# Altium PCB CONTROLLER.PcbDoc (continued)
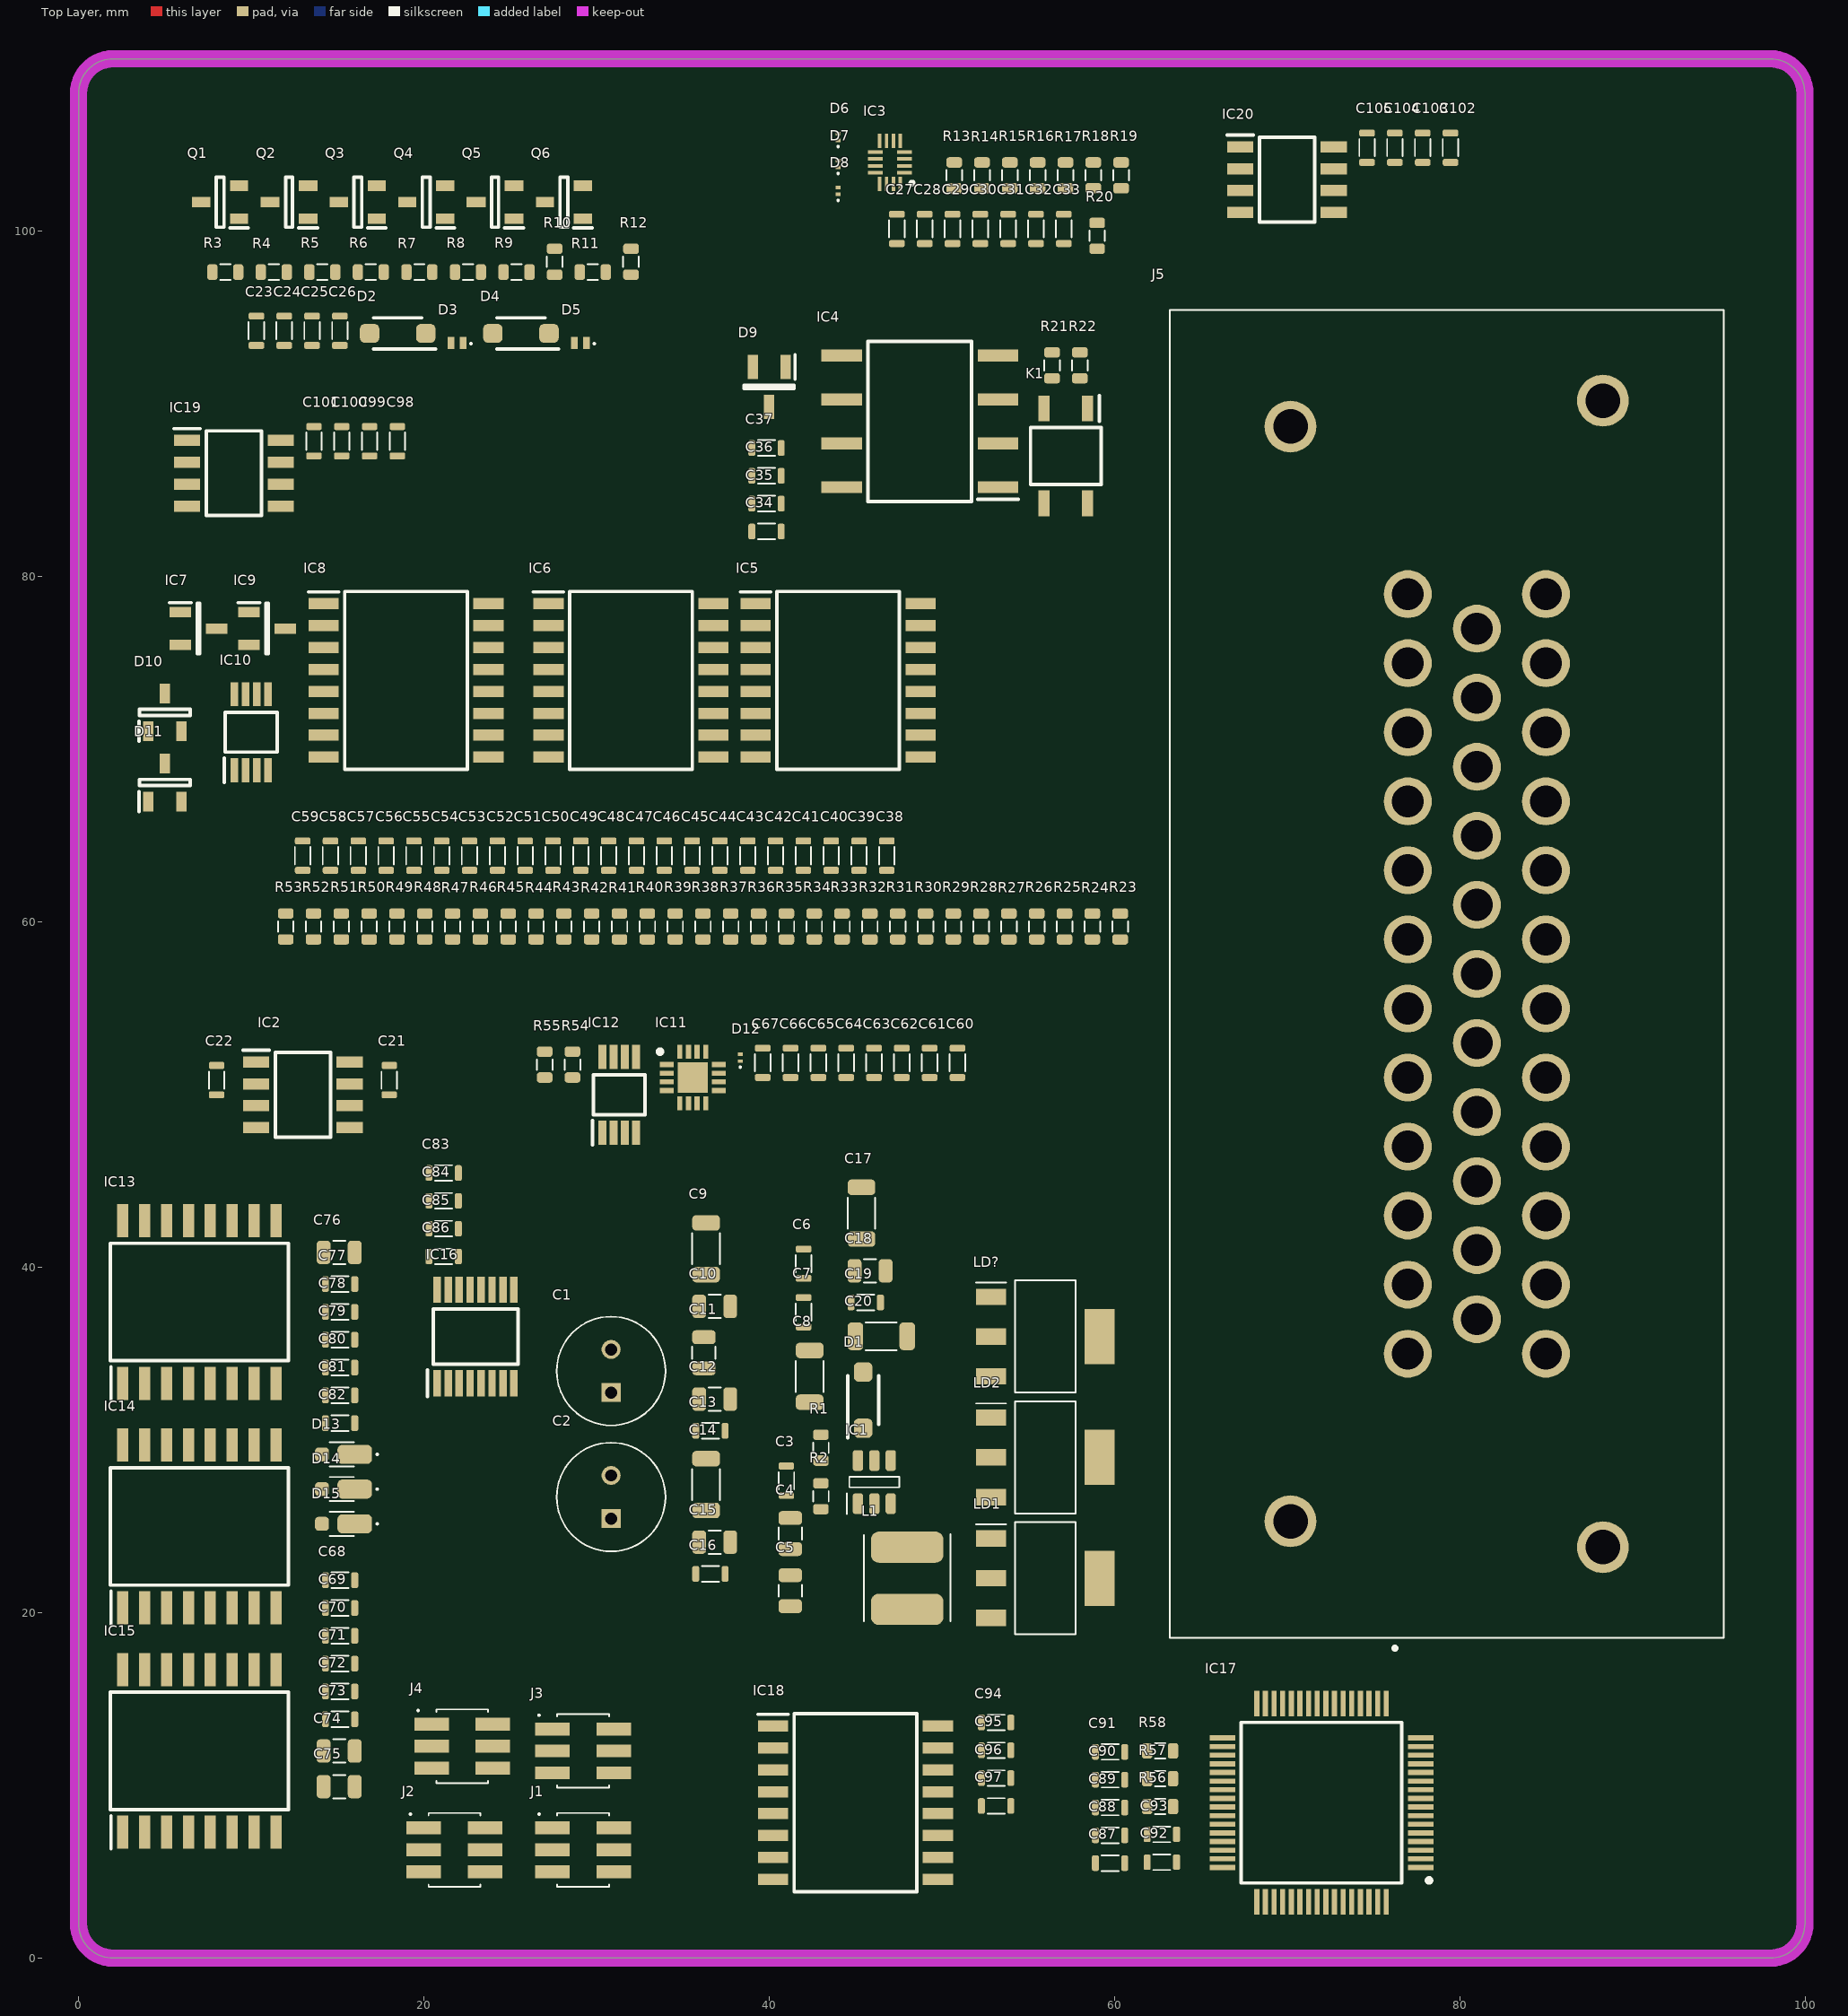
[diagram p0: Top Layer view]
## Footprints (in the part's own frame and the unit in brackets; to place one, negate y for a bottom-side part, rotate by r counter-clockwise, add the part's x,y. Pads: shape width x height; smd on the part's side, far side on the other; paste and mask are expansions set on the pad)
7762311 [mm]
  round 2.775 hole 1.85: 1(0,0) 2(4,0) 3(8,0) 4(12,0) 5(16,0) 6(20,0) 7(24,0) 8(28,0) 9(32,0) 10(36,0) 11(40,0) 12(44,0) 13(2,-4) 14(6,-4) 15(10,-4) 16(14,-4) 17(18,-4) 18(22,-4) 19(26,-4) 20(30,-4) 21(34,-4) 22(38,-4) 23(42,-4) 24(0,-8) 25(4,-8) 26(8,-8) 27(12,-8) 28(16,-8) 29(20,-8) 30(24,-8) 31(28,-8) 32(32,-8) 33(36,-8) 34(40,-8) 35(44,-8)
  round 3 hole 2: MH1(-9.7,6.8) MH2(-11.2,-11.3) MH3(55.2,-11.3) MH4(53.7,6.8)
  silkscreen extent -17.1,-18.3 60.45,13.8, body extent -16.6,-19.88 60.3,12.22, height 34.34
C_0603 [mm]
  rrect50% 0.4x0.9 smd: 1(0,0) 2(1.7,0)
  silkscreen extent 0.35,-0.45 1.35,0.45, body extent 0.05,-0.4 1.65,0.4, height 0.9
C_0805 [mm]
  rrect50% 0.8x1.35 smd: 1(0,0) 2(1.8,0)
  silkscreen extent 0.55,-0.67 1.25,0.67, body extent -0.1,-0.63 1.9,0.63, height 1.4
C_1206 [mm]
  rrect50% 0.9x1.6 smd: 1(0,0) 2(3,0)
  silkscreen extent 0.6,-0.8 2.4,0.8, body extent -0.09,-0.76 3.09,0.76, height 1.63
C_THT_6.3X11X2.5 [mm]
  rect 1.1x1.1 hole 0.7: 1(0,0)
  round 1.1 hole 0.7: 2(2.5,0)
  silkscreen extent -1.9,-3.15 4.4,3.15, body extent -2.14,-3.4 4.64,3.4, height 12.51
DO-219AD-2 [mm]
  rrect50% 2x1.1 smd: 1(0,0)
  rrect50% 0.8x0.8 smd: 2(1.9,0)
  silkscreen extent -1.35,-0.7 1.45,0.7, body extent -0.6,-0.65 1.9,0.65, height 0.68
HEADER_FEMALE_SMD_2X3_1.27MM [mm]
  rect 2x0.75 smd: 1(0,0) 2(3.55,0) 3(0,-1.27) 4(3.55,-1.27) 5(0,-2.54) 6(3.55,-2.54)
  silkscreen extent -0.83,-3.4 3.27,0.86, body extent -0.48,-3.4 4.03,0.86, height 4.5
IND_5x5x4.5 [mm]
  rrect50% 1.8x4.2 smd: 1(-1.8,0) 2(1.8,0)
  silkscreen extent -2.5,-2.5 2.54,2.5, body extent -2.5,-2.5 2.5,2.5, height 4.5
PESD5V0S1BL315 [mm]
  rect 0.4x0.7 smd: 1(-0.35,0) 2(0.35,0)
  silkscreen extent -0.85,0 -0.75,0.1, body extent -0.5,-0.3 0.5,0.3, height 0.47
PMEG3005AESFYL [mm]
  rect 0.2x0.28 smd: 1(-0.05,0) 2(0.35,0)
  silkscreen extent -0.45,-0.05 -0.35,0.05, body extent -0.16,-0.16 0.46,0.16, height 0.32
QFN40P180X260X55-16N [mm]
  rect 0.85x0.2 smd: 1(-0.85,0.6) 2(-0.85,0.2) 3(-0.85,-0.2) 4(-0.85,-0.6) 9(0.85,-0.6) 10(0.85,-0.2) 11(0.85,0.2) 12(0.85,0.6)
  rect 0.2x0.85 smd: 5(-0.6,-1.25) 6(-0.2,-1.25) 7(0.2,-1.25) 8(0.6,-1.25) 13(0.6,1.25) 14(0.2,1.25) 15(-0.2,1.25) 16(-0.6,1.25)
  silkscreen extent -1.38,1.1 -1.18,1.3, body extent -0.9,-1.3 0.9,1.3, height 0.55
QFN50P300X300X80-17N-D [mm]
  rect 0.8x0.3 smd: 1(-1.5,0.75) 2(-1.5,0.25) 3(-1.5,-0.25) 4(-1.5,-0.75) 9(1.5,-0.75) 10(1.5,-0.25) 11(1.5,0.25) 12(1.5,0.75)
  rect 0.3x0.8 smd: 5(-0.75,-1.5) 6(-0.25,-1.5) 7(0.25,-1.5) 8(0.75,-1.5) 13(0.75,1.5) 14(0.25,1.5) 15(-0.25,1.5) 16(-0.75,1.5)
  rect 1.76x1.76 smd: 17(0,0)
  silkscreen extent -2.02,1.38 -1.77,1.62, body extent -1.55,-1.55 1.55,1.55, height 0.8
QFP50P1200X1200X160-64N [mm]
  rect 1.475x0.3 smd: 1(-5.738,3.75) 2(-5.738,3.25) 3(-5.738,2.75) 4(-5.738,2.25) 5(-5.738,1.75) 6(-5.738,1.25) 7(-5.738,0.75) 8(-5.738,0.25) 9(-5.738,-0.25) 10(-5.738,-0.75) 11(-5.738,-1.25) 12(-5.738,-1.75) 13(-5.738,-2.25) 14(-5.738,-2.75) 15(-5.738,-3.25) 16(-5.738,-3.75) 33(5.738,-3.75) 34(5.738,-3.25) 35(5.738,-2.75) 36(5.738,-2.25) 37(5.738,-1.75) 38(5.738,-1.25) 39(5.738,-0.75) 40(5.738,-0.25) 41(5.738,0.25) 42(5.738,0.75) 43(5.738,1.25) 44(5.738,1.75) 45(5.738,2.25) 46(5.738,2.75) 47(5.738,3.25) 48(5.738,3.75)
  rect 0.3x1.475 smd: 17(-3.75,-5.738) 18(-3.25,-5.738) 19(-2.75,-5.738) 20(-2.25,-5.738) 21(-1.75,-5.738) 22(-1.25,-5.738) 23(-0.75,-5.738) 24(-0.25,-5.738) 25(0.25,-5.738) 26(0.75,-5.738) 27(1.25,-5.738) 28(1.75,-5.738) 29(2.25,-5.738) 30(2.75,-5.738) 31(3.25,-5.738) 32(3.75,-5.738) 49(3.75,5.738) 50(3.25,5.738) 51(2.75,5.738) 52(2.25,5.738) 53(1.75,5.738) 54(1.25,5.738) 55(0.75,5.738) 56(0.25,5.738) 57(-0.25,5.738) 58(-0.75,5.738) 59(-1.25,5.738) 60(-1.75,5.738) 61(-2.25,5.738) 62(-2.75,5.738) 63(-3.25,5.738) 64(-3.75,5.738)
  silkscreen extent -6.35,-4.65 4.65,4.65, body extent -6,-6 6,6, height 1.6
R_0603 [mm]
  rrect50% 0.6x0.9 smd: 1(0,0) 2(1.5,0)
  silkscreen extent 0.45,-0.45 1.05,0.45, body extent -0.05,-0.4 1.55,0.4, height 0.55
SOD-123-2 [mm]
  rrect50% 1.12x1.08 smd: 1(-1.625,0) 2(1.625,0)
  silkscreen extent -2.18,-0.9 1.4,0.9, body extent -1.88,-0.9 1.88,0.9, height 1.08
SOIC127P600X175-8N [mm]
  rect 1.525x0.65 smd: 1(-2.712,1.905) 2(-2.712,0.635) 3(-2.712,-0.635) 4(-2.712,-1.905) 5(2.712,-1.905) 6(2.712,-0.635) 7(2.712,0.635) 8(2.712,1.905)
  silkscreen extent -3.47,-2.45 1.6,2.58, body extent -3,-2.45 3,2.45, height 1.75
SOIC127P1030X265-16N [mm]
  rect 1.75x0.65 smd: 1(-4.775,4.445) 2(-4.775,3.175) 3(-4.775,1.905) 4(-4.775,0.635) 5(-4.775,-0.635) 6(-4.775,-1.905) 7(-4.775,-3.175) 8(-4.775,-4.445) 9(4.775,-4.445) 10(4.775,-3.175) 11(4.775,-1.905) 12(4.775,-0.635) 13(4.775,0.635) 14(4.775,1.905) 15(4.775,3.175) 16(4.775,4.445)
  silkscreen extent -5.65,-5.15 3.55,5.15, body extent -5.15,-5.15 5.15,5.15, height 2.65
SOIC127P1032X265-16N [mm]
  rect 1.925x0.65 smd: 1(-4.712,4.445) 2(-4.712,3.175) 3(-4.712,1.905) 4(-4.712,0.635) 5(-4.712,-0.635) 6(-4.712,-1.905) 7(-4.712,-3.175) 8(-4.712,-4.445) 9(4.712,-4.445) 10(4.712,-3.175) 11(4.712,-1.905) 12(4.712,-0.635) 13(4.712,0.635) 14(4.712,1.905) 15(4.712,3.175) 16(4.712,4.445)
  silkscreen extent -5.68,-5.15 3.4,5.15, body extent -5.16,-5.15 5.16,5.15, height 2.65
SOP64P600X175-16N [mm]
  rect 1.528x0.435 smd: 1(-2.711,2.222) 2(-2.711,1.588) 3(-2.711,0.952) 4(-2.711,0.318) 5(-2.711,-0.318) 6(-2.711,-0.952) 7(-2.711,-1.588) 8(-2.711,-2.222) 9(2.711,-2.222) 10(2.711,-1.588) 11(2.711,-0.952) 12(2.711,-0.318) 13(2.711,0.318) 14(2.711,0.952) 15(2.711,1.588) 16(2.711,2.222)
  silkscreen extent -3.47,-2.45 1.6,2.79, body extent -3.01,-2.45 3.01,2.45, height 1.62
SOP65P490X110-8N [mm]
  rect 1.4x0.45 smd: 1(-2.2,0.975) 2(-2.2,0.325) 3(-2.2,-0.325) 4(-2.2,-0.975) 5(2.2,-0.975) 6(2.2,-0.325) 7(2.2,0.325) 8(2.2,0.975)
  silkscreen extent -2.9,-1.5 1.15,1.55, body extent -2.45,-1.5 2.45,1.5, height 1.1
SOP254P610X206-4N [mm]
  rect 1.5x0.65 smd: 1(-2.75,1.27) 2(-2.75,-1.27) 3(2.75,-1.27) 4(2.75,1.27)
  silkscreen extent -3.5,-2.04 1.65,2.04, body extent -3.05,-2.04 3.05,2.04, height 2.05
SOP254P1040X485-8N [mm]
  rect 2.35x0.7 smd: 1(-4.525,3.81) 2(-4.525,1.27) 3(-4.525,-1.27) 4(-4.525,-3.81) 5(4.525,-3.81) 6(4.525,-1.27) 7(4.525,1.27) 8(4.525,3.81)
  silkscreen extent -5.7,-4.64 3,4.64, body extent -5.2,-4.64 5.2,4.64, height 4.85
SOT23-6 [mm]
  rrect50% 1.2x0.6 smd: 1(-1.25,0.95) 2(-1.25,0) 3(-1.25,-0.95) 4(1.25,-0.95) 5(1.25,0) 6(1.25,0.95)
  silkscreen extent -1.85,-1.45 0.3,1.6, body extent -1.4,-1.45 1.4,1.45, height 1.2
SOT95P230X110-3N [mm]
  rect 1.05x0.6 smd: 1(-1.1,0.95) 2(-1.1,-0.95) 3(1.1,0)
  silkscreen extent -1.63,-1.45 0.23,1.5, body extent -1.2,-1.45 1.2,1.45, height 0.95
SOT95P237X112-3N [mm]
  rect 1.25x0.6 smd: 1(-1.05,0.95) 2(-1.05,-0.95) 3(1.05,0)
  silkscreen extent -1.68,-1.46 0.08,1.5, body extent -1.27,-1.46 1.27,1.46, height 1
SOT95P237X125-3N [mm]
  rect 1.15x0.6 smd: 1(-1.1,0.95) 2(-1.1,-0.95) 3(1.1,0)
  silkscreen extent -1.68,-1.46 0.18,1.5, body extent -1.25,-1.5 1.25,1.5, height 1.07
SOT95P240X115-3N [mm]
  rect 1.1x0.6 smd: 1(-1.1,0.95) 2(-1.1,-0.95) 3(1.1,0)
  silkscreen extent -1.65,-1.45 0.2,1.5, body extent -1.2,-1.45 1.2,1.45, height 1.15
SOT95P255X125-3N [mm]
  rect 1.4x0.6 smd: 1(-1.15,0.95) 2(-1.15,-0.95) 3(1.15,0)
  silkscreen extent -1.85,-1.45 0.1,1.5, body extent -1.28,-1.45 1.28,1.45, height 1.25
SOT223-3 [mm]
  rect 1.75x0.95 smd: 1(-3.15,2.3) 2(-3.15,0) 3(-3.15,-2.3)
  rect 1.75x3.2 smd: 4(3.15,0)
  silkscreen extent -4.03,-3.25 1.75,3.25, body extent -3.5,-3.25 3.5,3.25, height 1.7

## Part data
C1 C2: library part CAP_POL_THT_100u_25V, "Aluminium Electrolytic Capacitors - Radial Leaded 25V 100uF 105C 6.3x11mm", Voltage=25V, ComponentLink1Description=Link, ComponentLink1URL=https://www.mouser.com.tr/ProductDetail/Lelon/RGA101M1EBK-0611G?qs=sGAEpiMZZMvwFf0viD3Y3ZPeeWspSkPKwMATVGPRbS8%3D
C3 C4 C5 C6 C7 C8 C9 C10 C11 C12 C13 C14 C15 C16 C17 C18 C19 C20 C21 C22 C23 C24 C25 C26 C27 C28 C29 C30 C31 C32 C33 C34 C35 C36 C37 C38 C39 C40 C41 C42 C43 C44 C45 C46 C47 C48 C49 C50 C51 C52 C53 C54 C55 C56 C57 C58 C59 C60 C61 C62 C63 C64 C65 C66 C67 C68 C69 C70 C71 C72 C73 C74 C75 C76 C77 C78 C79 C80 C81 C82 C83 C84 C85 C86 C87 C88 C89 C90 C91 C92 C93 C94 C95 C96 C97 C98 C99 C100 C101 C102 C103 C104 C105: library part CAP, "SMD Chip Capacitor"
D1 D2 D4: library part DIODE_SCHOTTKY_CMMSH1-60G_TR_PBFREE, "Schottky Diodes & Rectifiers", ComponentLink1Description="New link", ComponentLink1URL=https://www.mouser.com.tr/ProductDetail/Central-Semiconductor/CMMSH1-60G-TR-PBFREE?qs=u16ybLDytRaqwQ9Jtbd3vg%3D%3D, Vf=0.85A, Vrm=60V, If=1A
D3 D5: "Diode ESD (Bi-directional)", Manufacturer_Name=Nexperia, Mouser Part Number=771-PESD12VV1BL,315, Arrow Part Number=PESD12VV1BL,315, Arrow Price/Stock=https://www.arrow.com/en/products/pesd12vv1bl315/nexperia?region=nac, Datasheet Link=https://assets.nexperia.com/documents/data-sheet/PESD12VV1BL.pdf, Height=0mm, Manufacturer_Part_Number=PESD12VV1BL,315, Mouser Price/Stock=https://www.mouser.co.uk/ProductDetail/Nexperia/PESD12VV1BL315?qs=zHGtguZFFhIuyro4byE1mg%3D%3D
D6 D7 D8 D12: "Diode ESD (Bi-directional)", Manufacturer_Name=Nexperia, Mouser Part Number=771-PESD3V3Y1BSFYL, Arrow Part Number=PESD3V3Y1BSFYL, Arrow Price/Stock=https://www.arrow.com/en/products/pesd3v3y1bsfyl/nexperia?region=asia, Datasheet Link=https://assets.nexperia.com/documents/data-sheet/PESD3V3Y1BSF.pdf, Manufacturer_Part_Number=PESD3V3Y1BSFYL, Mouser Price/Stock=https://www.mouser.co.uk/ProductDetail/Nexperia/PESD3V3Y1BSFYL?qs=MLItCLRbWswJ%2F2jJIhlIxQ%3D%3D
D9: "TVS Diode (Bi-directional)", Manufacturer_Name=STMicroelectronics, Mouser Part Number=511-ESDCAN01-2BLY, Arrow Part Number=ESDCAN01-2BLY, Arrow Price/Stock=https://www.arrow.com/en/products/esdcan01-2bly/stmicroelectronics?region=nac, Datasheet Link=https://componentsearchengine.com/Datasheets/2/ESDCAN01-2BLY.pdf, Height=1.25mm, Manufacturer_Part_Number=ESDCAN01-2BLY, Mouser Price/Stock=https://www.mouser.co.uk/ProductDetail/STMicroelectronics/ESDCAN01-2BLY?qs=Ok1pvOkw6%2FpNzC2RQnWwPA%3D%3D
D10 D11: "Schottky Diode", Manufacturer_Name=MCC, Datasheet Link=https://www.mccsemi.com/pdf/Products/BAT54H-BAT54SH(SOT-23).pdf, Height=1.25mm, Manufacturer_Part_Number=BAT54SH-TP
D13 D14 D15: library part DIODE_SCHOTTKY_V1PM15-M3_H, "Schottky Diode, 150V, 1A, Vf: 1.13V", ComponentLink1Description="New link", ComponentLink1URL=https://www.mouser.com.tr/ProductDetail/Vishay-General-Semiconductor/V1PM15-M3-H?qs=%252BdQmOuGyFcHNPmRG94B76g%3D%3D, Vf=1.3V, Vrm=150V, If=1A
IC1: library part DC_DC_LV3842XFDBVR, "Switching Voltage Regulators 4-V to 36-V 600-mA synchronous step-dow (FPWM)"
IC2: "Integrated Circuit", Manufacturer_Name=STMicroelectronics, Mouser Part Number=511-M24C32-RMN6TP, Arrow Part Number=M24C32-RMN6TP, Arrow Price/Stock=https://www.arrow.com/en/products/m24c32-rmn6tp/stmicroelectronics?region=nac, Datasheet Link=http://www.st.com/content/ccc/resource/technical/document/datasheet/80/4e/8c/54/f2/63/4c/4a/CD00001012.pdf/files/CD00001012.pdf/jcr:content/translations/en.CD00001012.pdf, Height=1.75mm, Manufacturer_Part_Number=M24C32-RMN6TP, Mouser Price/Stock=https://www.mouser.co.uk/ProductDetail/STMicroelectronics/M24C32-RMN6TP?qs=mxjAf%2Fzt%2FiCvN2%252BVDNbw9w%3D%3D
IC3: "Integrated Circuit", Manufacturer_Name="Texas Instruments", Mouser Part Number=595-TCA6408ARSVR, Arrow Part Number=TCA6408ARSVR, Arrow Price/Stock=https://www.arrow.com/en/products/tca6408arsvr/texas-instruments?region=nac, Datasheet Link=http://www.ti.com/lit/gpn/tca6408a, Height=0.55mm, Manufacturer_Part_Number=TCA6408ARSVR, Mouser Price/Stock=https://www.mouser.co.uk/ProductDetail/Texas-Instruments/TCA6408ARSVR?qs=AFkNxQkJKAISZm6jGsM%252BSQ%3D%3D
IC4: "Integrated Circuit", Manufacturer_Name="Texas Instruments", Mouser Part Number=595-ISO1050DUBR, Arrow Part Number=ISO1050DUBR, Arrow Price/Stock=https://www.arrow.com/en/products/iso1050dubr/texas-instruments?region=europe, Datasheet Link=http://www.ti.com/lit/ds/symlink/iso1050.pdf, Height=4.85mm, Manufacturer_Part_Number=ISO1050DUBR, Mouser Price/Stock=https://www.mouser.co.uk/ProductDetail/Texas-Instruments/ISO1050DUBR?qs=IK5e5L0zOXhhp9hdAolE%252BA%3D%3D
IC5: "Integrated Circuit", Manufacturer_Name=onsemi, Mouser Part Number=863-TCA0372BDWR2G, Arrow Part Number=TCA0372BDWR2G, Arrow Price/Stock=https://www.arrow.com/en/products/tca0372bdwr2g/on-semiconductor?region=nac, Datasheet Link=https://www.onsemi.com/pub/Collateral/TCA0372-D.PDF, Height=2.65mm, Manufacturer_Part_Number=TCA0372BDWR2G, Mouser Price/Stock=https://www.mouser.co.uk/ProductDetail/onsemi/TCA0372BDWR2G?qs=xZq1yRCsb1cabHbnO0INRw%3D%3D
IC6 IC8: "Integrated Circuit", Manufacturer_Name="Texas Instruments", Mouser Part Number=595-ISO7330CDW, Arrow Part Number=ISO7330CDW, Arrow Price/Stock=https://www.arrow.com/en/products/iso7330cdw/texas-instruments, Datasheet Link=http://www.ti.com/lit/gpn/iso7330c, Height=2.65mm, Manufacturer_Part_Number=ISO7330CDW, Mouser Price/Stock=https://www.mouser.co.uk/ProductDetail/Texas-Instruments/ISO7330CDW/?qs=OfeFRKQgECgkB7bvj%252B895A%3D%3D
IC7: "Integrated Circuit", Manufacturer_Name="Texas Instruments", Mouser Part Number=595-TL431CDBZR, Arrow Part Number=TL431CDBZR, Arrow Price/Stock=https://www.arrow.com/en/products/tl431cdbzr/texas-instruments?region=nac, Datasheet Link=https://www.ti.com/lit/gpn/TL431, Height=1.12mm, Manufacturer_Part_Number=TL431CDBZR, Mouser Price/Stock=https://www.mouser.co.uk/ProductDetail/Texas-Instruments/TL431CDBZR?qs=odmYgEirbwwSWqcYApoxbg%3D%3D
IC9: "Integrated Circuit", Arrow Part Number=LM4040EIM3X-2.5/NOPB, Manufacturer_Name="Texas Instruments", Mouser Part Number=926-LM4040EIM3X25NPB, Arrow Price/Stock=https://www.arrow.com/en/products/lm4040eim3x-2.5nopb/texas-instruments?region=nac, Datasheet Link=http://www.ti.com/lit/gpn/lm4040-n, Height=1.12mm, Manufacturer_Part_Number=LM4040EIM3X-2.5/NOPB, Mouser Price/Stock=https://www.mouser.co.uk/ProductDetail/Texas-Instruments/LM4040EIM3X-2.5-NOPB?qs=QbsRYf82W3ECmAFJZbZXfA%3D%3D
IC10: "Integrated Circuit", Manufacturer_Name=onsemi, Mouser Part Number=863-MC33202DMR2G, Arrow Part Number=MC33202DMR2G, Arrow Price/Stock=https://www.arrow.com/en/products/mc33202dmr2g/on-semiconductor?region=nac, Datasheet Link=https://www.onsemi.com/pub/Collateral/MC33201-D.PDF, Height=1.1mm, Manufacturer_Part_Number=MC33202DMR2G, Mouser Price/Stock=https://www.mouser.co.uk/ProductDetail/onsemi/MC33202DMR2G?qs=dFKnUM%2FquJa76cgLejLdnw%3D%3D
IC11: "Integrated Circuit", Manufacturer_Name="Texas Instruments", Mouser Part Number=595-TLA2518IRTER, Arrow Part Number=TLA2518IRTER, Arrow Price/Stock=https://www.arrow.com/en/products/tla2518irter/texas-instruments?region=europe, Datasheet Link=http://www.ti.com/lit/ds/symlink/tla2518.pdf, Height=0.8mm, Manufacturer_Part_Number=TLA2518IRTER, Mouser Price/Stock=https://www.mouser.co.uk/ProductDetail/Texas-Instruments/TLA2518IRTER?qs=XeJtXLiO41Rx1uJi657ctQ%3D%3D
IC12: "Integrated Circuit", Arrow Part Number=ADC122S021CIMMX/NOPB, Manufacturer_Name="Texas Instruments", Mouser Part Number=926-A122S021CIMMXNPB, Arrow Price/Stock=https://www.arrow.com/en/products/adc122s021cimmxnopb/texas-instruments, Datasheet Link=http://www.ti.com/lit/gpn/ADC122S021, Height=1.1mm, Manufacturer_Part_Number=ADC122S021CIMMX/NOPB, Mouser Price/Stock=https://www.mouser.co.uk/ProductDetail/Texas-Instruments/ADC122S021CIMMX-NOPB/?qs=7X5t%252BdzoRHB2bC7Teu8H3A%3D%3D
IC13 IC14 IC15: "Integrated Circuit", Manufacturer_Name=Infineon, Mouser Part Number=942-IR2110STRPBF, Arrow Part Number=IR2110STRPBF, Arrow Price/Stock=https://www.arrow.com/en/products/ir2110strpbf/infineon-technologies-ag?utm_currency=USD&region=nac, Datasheet Link=https://www.infineon.com/cms/en/product/power/gate-driver-ics/?, Height=2.65mm, Manufacturer_Part_Number=IR2110STRPBF, Mouser Price/Stock=https://www.mouser.co.uk/ProductDetail/Infineon-Technologies/IR2110STRPBF?qs=2r01AXMCG3P4pNuJUqFzxg%3D%3D
IC16: "Integrated Circuit", Manufacturer_Name="Texas Instruments", Mouser Part Number=595-ISO7760FDBQR, Arrow Part Number=ISO7760FDBQR, Arrow Price/Stock=https://www.arrow.com/en/products/iso7760fdbqr/texas-instruments?region=nac, Datasheet Link=https://www.ti.com/lit/ds/symlink/iso7760.pdf?ts=1635771024326&ref_url=https%253A%252F%252Fwww.ti.com%252Fproduct%252FISO7760, Height=1.75mm, Manufacturer_Part_Number=ISO7760FDBQR, Mouser Price/Stock=https://www.mouser.co.uk/ProductDetail/Texas-Instruments/ISO7760FDBQR?qs=rrS6PyfT74eAAfpmQeXWaw%3D%3D
IC17: "Integrated Circuit", Manufacturer_Name=STMicroelectronics, Mouser Part Number=511-STM32F446RET6, Arrow Part Number=STM32F446RET6, Arrow Price/Stock=https://www.arrow.com/en/products/stm32f446ret6/stmicroelectronics?utm_currency=USD&region=nac, Datasheet Link=https://datasheet.datasheetarchive.com/originals/distributors/DKDS41/DSANUWW0028583.pdf, Height=1.6mm, Manufacturer_Part_Number=STM32F446RET6, Mouser Price/Stock=https://www.mouser.co.uk/ProductDetail/STMicroelectronics/STM32F446RET6?qs=Ok1pvOkw6%2FqpQsWf8F4wtQ%3D%3D
IC18: "Integrated Circuit", Manufacturer_Name="Texas Instruments", Mouser Part Number=595-ISO6731DWR, Datasheet Link=https://www.ti.com/lit/ds/symlink/iso6731.pdf?ts=1623477624400&ref_url=https%253A%252F%252Fwww.ti.com%252Fstore%252Fti%252Fen%252Fp%252Fproduct%252F%253Fp%253DISO6731DWR%2526keyMatch%253DISO6731DWR%2526tisearch%253Dsearch-everything%2526usecase%253DOPN, Height=2.65mm, Manufacturer_Part_Number=ISO6731DWR, Mouser Price/Stock=https://www.mouser.co.uk/ProductDetail/Texas-Instruments/ISO6731DWR?qs=iLbezkQI%252Bsg6BfGQOcJxyQ%3D%3D
IC19: "Integrated Circuit", Manufacturer_Name="Texas Instruments", Mouser Part Number=595-ISO1641BDR, Datasheet Link=https://www.ti.com/lit/ds/symlink/iso1641.pdf?ts=1621351593430&ref_url=https%253A%252F%252Fwww.ti.com%252Fisolation%252Fisolated-interfaces%252Fi2c%252Fproducts.html, Height=1.75mm, Manufacturer_Part_Number=ISO1641BDR, Mouser Price/Stock=https://www.mouser.co.uk/ProductDetail/Texas-Instruments/ISO1641BDR?qs=TuK3vfAjtkURaauWK%2F5e2g%3D%3D
IC20: "Integrated Circuit", Manufacturer_Name="Texas Instruments", Mouser Part Number=595-ISO7710FDR, Arrow Part Number=ISO7710FDR, Arrow Price/Stock=https://www.arrow.com/en/products/iso7710fdr/texas-instruments?region=nac, Datasheet Link=http://www.ti.com/lit/gpn/iso7710, Height=1.75mm, Manufacturer_Part_Number=ISO7710FDR, Mouser Price/Stock=https://www.mouser.co.uk/ProductDetail/Texas-Instruments/ISO7710FDR?qs=0C8XhJW8e4r482bmRgamQA%3D%3D
J1 J2 J3 J4: library part HEADER_SMD_2X3_1.27MM
J5: "Connector", Manufacturer_Name="TE Connectivity", Mouser Part Number=571-776231-1, Arrow Part Number=776231-1, Arrow Price/Stock=https://www.arrow.com/en/products/776231-1/te-connectivity?region=nac, Datasheet Link=https://www.te.com/commerce/DocumentDelivery/DDEController?Action=srchrtrv&DocNm=1-1773979-2&DocType=Data%20Sheet&DocLang=English&PartCntxt=776231-1&DocFormat=pdf, Height=34.25mm, Manufacturer_Part_Number=776231-1, Mouser Price/Stock=https://www.mouser.co.uk/ProductDetail/TE-Connectivity/776231-1?qs=YqNA2qefETAQAJm2ankyIA%3D%3D
K1: "Relay or Contactor", Manufacturer_Name=LITTELFUSE, Datasheet Link=http://www.ixysic.com/home/pdfs.nsf/www/CPC1017N.pdf/$file/CPC1017N.pdf, Height=2.055mm, Manufacturer_Part_Number=CPC-1017N
L1: library part INDUCTOR, "VLS5045EX-220M"
LD1: library part LDO_SPX1117M3-L-5-0_TR, "LDO Voltage Regulators, 800mA, 5V Fixed Output", Dropout Voltage=1.1V, ComponentLink1Description=Link, ComponentLink1URL=https://www.mouser.com.tr/ProductDetail/MaxLinear/SPX1117M3-L-5-0-TR?qs=sGAEpiMZZMuLLNXTG1MZamssjbYkpgRd0ulvD9ADRVk%3D, Junction to Ambient=41°C/W, Vinmax=15V
LD2 LD?: library part LDO_SPX1117M3-L-3-3/TR, "LDO Voltage Regulators, 800mA, 3.3V Fixed Output", Dropout Voltage=1.1V, ComponentLink1Description=Link, ComponentLink1URL=https://www.mouser.com.tr/ProductDetail/MaxLinear/SPX1117M3-L-3-3-TR?qs=S%2FCBhQS5rCofor8XCFP4ag%3D%3D, Junction to Ambient=41°C/W, Vinmax=15V
Q1 Q4: "Transistor BJT PNP", Manufacturer_Name=Nexperia, Mouser Part Number=771-BC857B235, Arrow Part Number=BC857B,235, Arrow Price/Stock=https://www.arrow.com/en/products/bc857b235/nexperia?region=europe, Datasheet Link=https://assets.nexperia.com/documents/data-sheet/BC856_BC857_BC858.pdf, Height=1.1mm, Manufacturer_Part_Number=BC857B,235, Mouser Price/Stock=https://www.mouser.co.uk/ProductDetail/Nexperia/BC857B235?qs=me8TqzrmIYWSnmooO7Bp2g%3D%3D
Q2 Q5: "Transistor BJT NPN", Manufacturer_Name=Rectron, Mouser Part Number=583-BC847, Datasheet Link=https://www.rectron.com/public/product_datasheets/bc846-bc848.pdf, Height=1.15mm, Manufacturer_Part_Number=BC847-T, Mouser Price/Stock=https://www.mouser.co.uk/ProductDetail/Rectron/BC847-T?qs=88VD4TDCwKCxjiqyDdAfrw%3D%3D
Q3 Q6: "MOSFET (N-Channel)", Manufacturer_Name=Nexperia, Mouser Part Number=771-PMV37ENEAR, Arrow Part Number=PMV37ENEAR, Arrow Price/Stock=https://www.arrow.com/en/products/pmv37enear/nexperia?region=nac, Datasheet Link=https://assets.nexperia.com/documents/data-sheet/PMV37ENEA.pdf, Height=1.1mm, Manufacturer_Part_Number=PMV37ENEAR, Mouser Price/Stock=https://www.mouser.co.uk/ProductDetail/Nexperia/PMV37ENEAR?qs=T3oQrply3y%2Frl%252BtsBfD26A%3D%3D
R1 R2 R3 R4 R5 R6 R7 R8 R9 R10 R11 R12 R13 R14 R15 R16 R17 R18 R19 R20 R21 R22 R23 R24 R25 R26 R27 R28 R29 R30 R31 R32 R33 R34 R35 R36 R37 R38 R39 R40 R41 R42 R43 R44 R45 R46 R47 R48 R49 R50 R51 R52 R53 R54 R55 R56 R57 R58: library part RES, "SMD Chip Resistor"

## Nets (pads, with @x,y where several pads share a name; then routed paths per layer and width w, separated by ;. In a path a pad name is that pad's centre, name@x,y a point inside that pad or via, vN(x,y) a via of type N, cw(c..) or ccw(c..) an arc to the next point about the centre after c; other vN are vias at no path point)
+3V3: C17.1 C21.1 C22.1 C43.2 C44.2 C48.2 C49.2 C57.2 C58.2 C59.2 C63.2 C64.2 D10.1 D11.1 IC2.8 IC6.10 IC6.16 IC8.10 IC8.16 IC10.8 IC11.10 J5.10 LD2.2 LD2.4 R15.2 R17.2 R19.2
+3V3_ADC: C60.2 C61.2 C65.2 C66.2 IC11.7 IC12.2
+3V3_MCU: C20.1 C87.2 C88.2 C89.2 C90.2 C91.2 C92.2 IC17.1 IC17.13 IC17.19 IC17.32 IC17.48 IC17.64 LD?.2 LD?.4 R56.1 R57.1
+5V: C14.1 C15.1 C16.1 C27.1 C28.1 C29.1 C30.1 C35.1 C36.1 C41.2 C42.2 C46.2 C47.2 C77.2 C78.2 C79.2 C80.2 C81.2 C82.2 C85.2 C86.2 C96.2 C97.2 C100.2 C101.2 C104.2 C105.2 IC3.14 IC3.15 IC4.8 IC6.1 IC8.1 IC13.11 IC14.11 IC15.11 IC16.16 IC18.10 IC18.16 IC19.8 LD1.2 LD1.4 LD2.3 R13.2 R14.2 R25.1 R26.1 R27.1 R37.1 R38.1 R39.1 R40.2
+5V_FEEDBACK: J5.21
+5V_MCU: C18.1 C19.1 C34.2 C37.1 C83.2 C84.2 C94.2 C95.2 C98.2 C99.2 C102.2 C103.2 IC4.1 IC16.1 IC18.1 IC18.7 IC19.1 IC20.1 LD?.3
+7V: C8.1 C9.1 C10.1 C11.1 C12.1 C13.1 L1.2 LD1.3 R1.2
+12V: C1.1 C2.1 C4.1 C5.1 C6.2 C7.2 C50.2 C51.2 C52.2 C68.2 C69.2 C70.2 C71.2 C72.2 C73.2 D1.1 D2.1 D4.1 D13.2 D14.2 D15.2 IC1.4 IC1.5 IC5.1 IC13.3 IC14.3 IC15.3 Q1.2 Q4.2 R3.1 R8.1 R24.2
+12V_IN: D1.2 J5.1 J5.2 J5.3 J5.4
DIR_SW: IC3.2 R16.1
EMG_REV_SW: IC3.4 R20.1
EMG_STOP_SW: IC3.3 R18.1
GND: C1.2 C2.2 C4.2 C5.2 C6.1 C7.1 C8.2 C9.2 C10.2 C11.2 C12.2 C13.2 C14.2 C15.2 C16.2 C17.2 C21.2 C22.2 C23.2 C24.2 C25.2 C26.2 C27.2 C28.2 C29.2 C30.2 C31.2 C32.2 C33.2 C35.2 C36.2 C40.2 C41.1 C42.1 C46.1 C47.1 C50.1 C51.1 C52.1 C57.1 C58.1 C59.1 C60.1 C61.1 C62.1 C63.1 C64.1 C65.1 C66.1 C67.1 C68.1 C69.1 C70.1 C71.1 C72.1 C73.1 C77.1 C78.1 C79.1 C80.1 C81.1 C82.1 C85.1 C86.1 C96.1 C97.1 C100.1 C101.1 C104.1 C105.1 D3.2 D5.2 D6.2 D7.2 D8.2 D9.3 D10.2 D11.2 D12.2 IC1.2 IC2.1 IC2.2 IC2.3 IC2.4 IC3.6 IC3.16 IC4.5 IC5.4 IC5.5 IC5.12 IC5.13 IC6.2 IC6.8 IC7.3 IC8.2 IC8.8 IC9.2 IC10.4 IC11.9 IC11.17 IC12.3 IC13.2 IC13.13 IC13.15 IC14.2 IC14.13 IC14.15 IC15.2 IC15.13 IC15.15 IC16.9 IC18.9 IC18.15 IC19.5 IC20.3 IC20.6 J5.15 J5.16 J5.17 J5.18 J5.19 J5.20 J5.34 LD1.1 LD2.1 Q2.2 Q3.2 Q5.2 Q6.2 R2.1 R6.2 R7.2 R11.2 R12.2 R31.1 R32.2 R33.2 R34.2 R41.2 R42.2 R43.2
GND_MCU: C18.2 C19.2 C20.2 C34.1 C37.2 C43.1 C44.1 C48.1 C49.1 C83.1 C84.1 C87.1 C88.1 C89.1 C90.1 C91.1 C92.1 C93.1 C94.1 C95.1 C98.1 C99.1 C102.1 C103.1 IC4.4 IC6.9 IC6.15 IC8.9 IC8.15 IC16.8 IC17.12 IC17.18 IC17.31 IC17.47 IC17.63 IC18.2 IC18.8 IC19.4 K1.2 LD?.1 R58.2
MISO: IC11.12 IC12.7 IC18.12
MOSI: IC11.14 IC12.6 IC18.13
NetC3_1: C3.1 IC1.6 L1.1
NetC3_2: C3.2 IC1.1
NetC23_1: C23.1 Q2.1 R4.2 R6.1
NetC24_1: C24.1 Q1.3 R5.2 R7.1
NetC25_1: C25.1 Q5.1 R9.2 R11.1
NetC26_1: C26.1 Q4.3 R10.2 R12.1
NetC31_1: C31.1 D6.1 J5.7 R15.1 R16.2
NetC32_1: C32.1 D7.1 J5.8 R17.1 R18.2
NetC33_1: C33.1 D8.1 J5.9 R19.1 R20.2
NetC38_1: C38.1 IC5.16 J5.33 R23.1 R35.2
NetC38_2: C38.2 IC5.10 R30.1
NetC39_1: C39.1 IC20.7
NetC39_2: C39.2 R29.2
NetC40_1: C40.1 R23.2 R29.1 R30.2
NetC45_1: C45.1 IC5.2 J5.32 R36.1
NetC45_2: C45.2 IC5.7 R35.1 R36.2
NetC53_1: C53.1 D10.3 IC10.1 IC12.5 R44.1
NetC53_2: C53.2 IC10.2 R44.2 R45.1
NetC54_2: C54.2 IC10.3 R47.1 R48.2
NetC55_1: C55.1 D11.3 IC10.7 IC12.4 R49.1
NetC55_2: C55.2 IC10.6 R49.2 R50.1
NetC56_2: C56.2 IC10.5 R52.1 R53.2
NetC62_2: C62.2 IC11.8
NetC67_2: C67.2 R54.1 R55.2
NetC74_1: C74.1 IC13.6 J4.1
NetC74_2: C74.2 D13.1 IC13.7
NetC75_1: C75.1 IC14.6 J4.3
NetC75_2: C75.2 D14.1 IC14.7
NetC76_1: C76.1 IC15.6 J4.5
NetC76_2: C76.2 D15.1 IC15.7
NetC93_2: C93.2 IC17.30
NetD2_2: D2.2 D3.1 J5.5 Q3.3
NetD4_2: D4.2 D5.1 J5.6 Q6.3
NetD9_1: D9.1 IC4.7 J5.14 R21.2
NetD9_2: D9.2 IC4.6 J5.13 K1.4
NetD12_1: D12.1 J5.11 R54.2
NetIC2_5: IC2.5 IC3.13 IC19.7
NetIC2_6: IC2.6 IC3.12 IC19.6
NetIC2_7: IC2.7 IC3.9
NetIC3_8: IC3.8 IC11.11
NetIC3_10: IC3.10 IC12.1
NetIC4_2: IC4.2 IC17.20
NetIC4_3: IC4.3 IC17.21
NetIC6_12: IC6.12 IC17.41
NetIC6_13: IC6.13 IC17.23
NetIC6_14: IC6.14 IC17.22
NetIC8_12: IC8.12 IC17.44
NetIC8_13: IC8.13 IC17.43
NetIC8_14: IC8.14 IC17.42
NetIC13_12: IC13.12 IC16.15
NetIC13_14: IC13.14 IC16.14
NetIC14_12: IC14.12 IC16.13
NetIC14_14: IC14.14 IC16.12
NetIC15_12: IC15.12 IC16.11
NetIC15_14: IC15.14 IC16.10
NetIC16_2: IC16.2 IC17.26
NetIC16_3: IC16.3 IC17.27
NetIC16_4: IC16.4 IC17.28
NetIC16_5: IC16.5 IC17.55
NetIC16_6: IC16.6 IC17.56
NetIC16_7: IC16.7 IC17.57
NetIC17_15: IC17.15 IC19.3
NetIC17_16: IC17.16 IC19.2
NetIC17_45: IC17.45 IC20.2
NetIC17_46: IC17.46 IC18.3
NetIC17_49: IC17.49 IC18.5
NetIC17_50: IC17.50 IC18.4
NetJ1_1: IC11.16 J1.1
NetJ1_3: IC11.1 J1.3
NetJ1_5: IC11.2 J1.5
NetJ1_6: IC11.3 J1.6
NetJ2_1: IC11.4 J2.1
NetJ2_3: IC11.5 J2.3
NetJ2_5: IC11.6 J2.5
NetJ3_1: IC13.8 J3.1
NetJ3_2: IC14.1 J3.2
NetJ3_3: IC13.1 J3.3
NetJ3_4: IC15.8 J3.4
NetJ3_5: IC14.8 J3.5
NetJ3_6: IC15.1 J3.6
NetJ5_22: IC6.3 J5.22 R25.2 R32.1
NetJ5_23: IC6.4 J5.23 R26.2 R33.1
NetJ5_24: IC6.5 J5.24 R27.2 R34.1
NetJ5_25: IC8.3 J5.25 R37.2 R41.1
NetJ5_26: IC8.4 J5.26 R38.2 R42.1
NetJ5_27: IC8.5 J5.27 R39.2 R43.1
NetJ5_28: J5.28 R45.2 R46.2
NetJ5_29: J5.29 R46.1 R47.2
NetJ5_30: J5.30 R50.2 R51.2
NetJ5_31: J5.31 R51.1 R52.2
NetK1_1: K1.1 R22.1
NetK1_3: K1.3 R21.1
NetQ1_1: Q1.1 Q2.3 R3.2
NetQ3_1: Q3.1 R5.1
NetQ4_1: Q4.1 Q5.3 R8.2
NetQ6_1: Q6.1 R10.1
NetR1_1: IC1.3 R1.1 R2.2
NetR4_1: IC3.5 R4.1
NetR9_1: IC3.7 R9.1
NetR13_1: IC3.11 R13.1
NetR14_1: IC3.1 R14.1
NetR22_2: IC17.17 R22.2
NetR28_1: IC7.2 R28.1 R31.2
NetR56_2: IC17.14 R56.2
NetR57_2: IC17.7 R57.2
NetR58_1: IC17.60 R58.1
OSC_IN: IC17.5
OSC_OUT: IC17.6
SCLK: IC11.13 IC12.8 IC18.14
THROTTLE: IC11.15 R55.1
VBIAS_1: IC5.8 IC5.9 IC7.1 R24.1 R28.2
VBIAS_2: C54.1 C56.1 IC9.1 R40.1 R48.1 R53.1
pads on no net: IC5.3 IC5.6 IC5.11 IC5.14 IC5.15 IC6.6 IC6.7 IC6.11 IC8.6 IC8.7 IC8.11 IC9.3 IC13.4 IC13.5 IC13.9 IC13.10 IC13.16 IC14.4 IC14.5 IC14.9 IC14.10 IC14.16 IC15.4 IC15.5 IC15.9 IC15.10 IC15.16 IC17.2 IC17.3 IC17.4 IC17.8 IC17.9 IC17.10 IC17.11 IC17.24 IC17.25 IC17.29 IC17.33 IC17.34 IC17.35 IC17.36 IC17.37 IC17.38 IC17.39 IC17.40 IC17.51 IC17.52 IC17.53 IC17.54 IC17.58 IC17.59 IC17.61 IC17.62 IC18.6 IC18.11 IC20.4 IC20.5 IC20.8 J1.2 J1.4 J2.2 J2.4 J2.6 J4.2 J4.4 J4.6 J5.12 J5.35 J5.MH1 J5.MH2 J5.MH3 J5.MH4

## Keep-outs
Keep-Out Layer:
  the board outline again, w1